# Altium PCB SmartHub Carrier.PcbDoc (part 1 of 5) (continued)
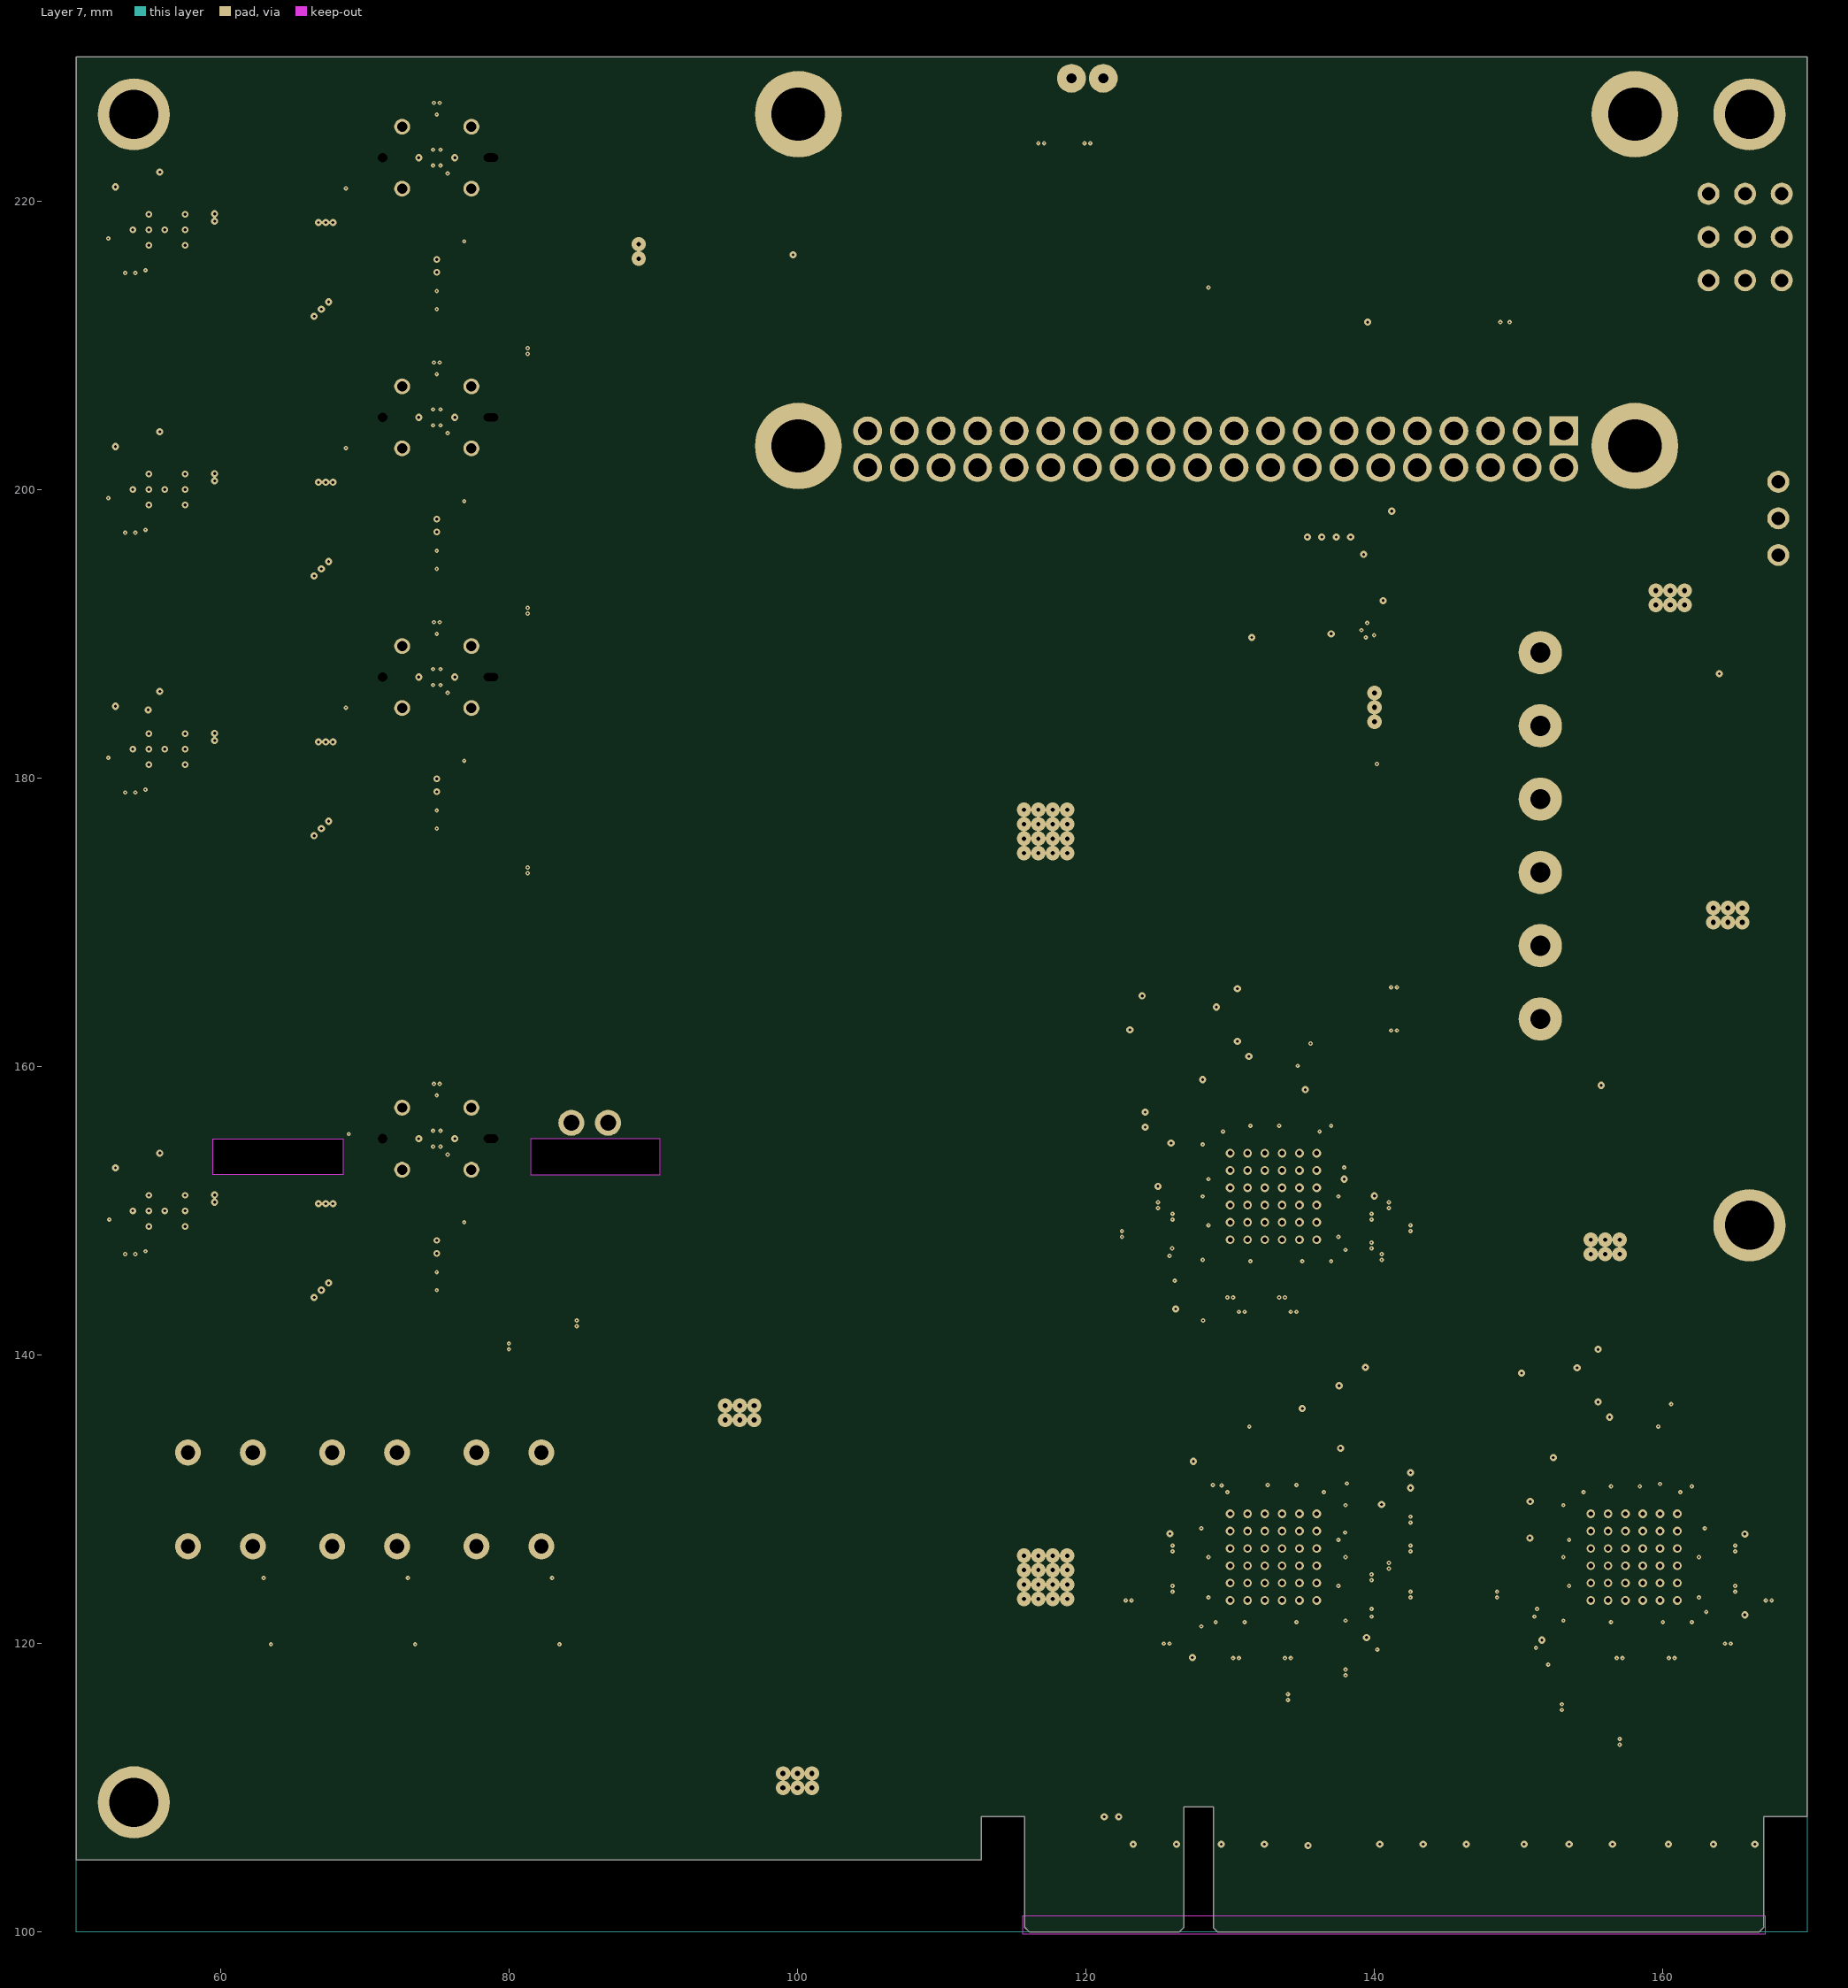
[diagram p7: Layer 7]

## Layer stack, top to bottom
Top Solder: solder mask 0.0102, Solder Resist, Dk 3.5
Top Layer: signal copper 0.035
Dielectric 1: prepreg 0.1168, PP-016, Dk 4.4
Layer 2: signal copper 0.035
Dielectric 2: prepreg 0.1168, PP-016, Dk 4.4
Layer 3: signal copper 0.035
Dielectric 3.1: prepreg 0.1803, PP-021, Dk 4.7
Dielectric 3.2: prepreg 0.0711, PP-006, Dk 4.1
Layer 4: signal copper 0.035
Dielectric 4: core 0.2286, Core-027, Dk 4.5
Layer 5: signal copper 0.035
Dielectric 5.2: prepreg 0.0711, PP-006, Dk 4.1
Dielectric 5.1: prepreg 0.1803, PP-021, Dk 4.7
Layer 6: signal copper 0.035
Dielectric 6: prepreg 0.1168, PP-016, Dk 4.4
Layer 7: signal copper 0.035
Dielectric 7: prepreg 0.1168, PP-016, Dk 4.4
Bottom Layer: signal copper 0.035
Bottom Solder: solder mask 0.0102, Solder Resist, Dk 3.5

## Board outline
115.75,100.35 116.1,100 126.45,100 126.8,100.35 126.8,108.7 128.85,108.7 128.85,100.3 129.15,100 166.65,100 167,100.35 167,108 170,108 170,230 50,230 50,105 112.75,105 112.75,108 115.75,108
cut-out: 68.5,155 68.5,152.5 59.5,152.5 59.5,155
cut-out: 81.5,155 81.5,152.5 90.5,152.5 90.5,155

## Design rules (kind name [scope] priority, off if disabled: settings)
BoardOutlineClearance BoardOutlineClearanceText [OnLayer('Top Overlay')   or        OnLayer('Bottom Overlay')] p1: gap=0 ignorepadtopadclearanceinfootprint=FALSE
BoardOutlineClearance BoardOutlineClearanceTopBot [OnLayer('Top Layer') or OnLayer('Bottom Layer')] p2: gap=0.125 ignorepadtopadclearanceinfootprint=FALSE
BoardOutlineClearance [All] p3: gap=0.125 ignorepadtopadclearanceinfootprint=FALSE except(0: Arc-SplitBarrior Arc-SplitContinuation Track-SplitBarrior Track-SplitContinuation SMDPad-SplitBarrior SMDPad-SplitContinuation THPad-SplitBarrior THPad-SplitContinuation Via-SplitBarrior Via-SplitContinuation Fill-SplitBarrior Fill-SplitContinuation Poly-SplitBarrior Poly-SplitContinuation Region-SplitBarrior Region-SplitContinuation Text-SplitBarrior Text-SplitContinuation)
Clearance Clearance_DiffPair [(InDifferentialPairClass('All Differential Pairs'))] p1: gap=0.1 ignorepadtopadclearanceinfootprint=TRUE except(0: Arc-Text Track-Text SMDPad-Text THPad-Text Via-Text Fill-Text Poly-Text Region-Text Text-Text Text-Hole)
Clearance Clearance_HighPWR [InNet('VPWR')  or   InNet('+24V')  or InNet('SENSE_24V') or InNet('PRE_PWR')] p2: gap=0.2 ignorepadtopadclearanceinfootprint=TRUE except(0: Arc-Text Track-Text SMDPad-Text THPad-Text Via-Text Fill-Text Poly-Text Region-Text Text-Text Text-Hole)
Clearance Clearance_USBPWR [InNet('USB0_5V') or InNet('USB1_5V') or InNet('USB2_5V') or InNet('USB3_5V') or InNet('USB4_5V') or InNet('USB5_5V') or InNet('USB6_5V') or InNet('USB7_5V')] p3: gap=0.2 ignorepadtopadclearanceinfootprint=FALSE except(0: Arc-Text Track-Text SMDPad-Text THPad-Text Via-Text Fill-Text Poly-Text Region-Text Text-Text Text-Hole)
Clearance Clearance_MidPWR [InNet('+5VR') or InNet('+5VF') or InNet('+3V3') or InNet('PRE_5VR') or InNet('PRE_3V3')] p4: gap=0.175 ignorepadtopadclearanceinfootprint=TRUE except(0: Arc-Text Track-Text SMDPad-Text THPad-Text Via-Text Fill-Text Poly-Text Region-Text Text-Text Text-Hole)
Clearance Clearance_LowPWR [InNet('+3V3') or InNet('+1V8') or InNet('+1V1') or InNet('PRE_1V1') or InNet('PRE_1V8')] p5: gap=0.15 ignorepadtopadclearanceinfootprint=TRUE except(0: Arc-Text Track-Text SMDPad-Text THPad-Text Via-Text Fill-Text Poly-Text Region-Text Text-Text Text-Hole)
Clearance Clearance_DiffNets [All] p6: gap=0.1 ignorepadtopadclearanceinfootprint=TRUE except(0: Arc-Text Track-Text SMDPad-Text THPad-Text Via-Text Fill-Text Poly-Text Region-Text Text-Text Text-Hole)
Clearance Clearance_SameNets [All] p7: gap=0 ignorepadtopadclearanceinfootprint=FALSE
ComponentClearance [All] p1: gap=0 collisioncheckmode=3 verticalgap=0 showdistances=FALSE
DiffPairsRouting DiffPairsRouting_USB3 [InDifferentialPairClass('USB3')] p1: maxlimit=0.2 minlimit=0.125 mostfreqgap=0.2 toplayer_maxgap=0.125 toplayer_prefgap=0.125 toplayer_minwidth=0.15 toplayer_maxwidth=0.15 toplayer_prefwidth=0.15 midlayer2_mingap=0.15 midlayer2_maxgap=0.15 midlayer2_prefgap=0.15 midlayer2_minwidth=0.1 midlayer2_maxwidth=0.1 midlayer2_prefwidth=0.1 midlayer5_mingap=0.15 midlayer5_maxgap=0.15 midlayer5_prefgap=0.15 midlayer5_minwidth=0.1 midlayer5_maxwidth=0.1 midlayer5_prefwidth=0.1 bottomlayer_maxgap=0.125 bottomlayer_prefgap=0.125 bottomlayer_minwidth=0.15 bottomlayer_maxwidth=0.15 bottomlayer_prefwidth=0.15 impedanceprofiledriven=TRUE impedanceprofileid={CAC524BF-6D41-4182-8BAB-A067496D66B2} impedanceprofilevalue=90.000000 filterlayerstackid={D35C46F4-2E52-4D90-A27E-1B933197D4E5} maxuncoupledlength=12.7
DiffPairsRouting DiffPairsRouting_USB [InDifferentialPairClass('USB')] p2: maxlimit=0.2 minlimit=0.125 mostfreqgap=0.2 toplayer_maxgap=0.125 toplayer_prefgap=0.125 toplayer_minwidth=0.15 toplayer_maxwidth=0.15 toplayer_prefwidth=0.15 midlayer2_mingap=0.15 midlayer2_maxgap=0.15 midlayer2_prefgap=0.15 midlayer2_minwidth=0.1 midlayer2_maxwidth=0.1 midlayer2_prefwidth=0.1 midlayer5_mingap=0.15 midlayer5_maxgap=0.15 midlayer5_prefgap=0.15 midlayer5_minwidth=0.1 midlayer5_maxwidth=0.1 midlayer5_prefwidth=0.1 bottomlayer_maxgap=0.125 bottomlayer_prefgap=0.125 bottomlayer_minwidth=0.15 bottomlayer_maxwidth=0.15 bottomlayer_prefwidth=0.15 impedanceprofiledriven=TRUE impedanceprofileid={CAC524BF-6D41-4182-8BAB-A067496D66B2} impedanceprofilevalue=90.000000 filterlayerstackid={D35C46F4-2E52-4D90-A27E-1B933197D4E5} maxuncoupledlength=12.7
Height [All] p1: minheight=0 maxheight=100 prefheight=12.7
HoleSize [All] p1: absolutevalues=TRUE maxlimit=20 minlimit=0.025 maxpercent=80.000 minpercent=20.000
HoleToHoleClearance [All] p1: gap=0.1 allowstackedmicrovias=TRUE
MatchedLengths MatchedLengthsI2C_0 [InNetClass('I2C_0')] p1: tolerance=0.127 checknetsindiffpair=FALSE checkdiffpairvsdiffpair=TRUE checkxsignals=TRUE checkothers=TRUE
MatchedLengths MatchedLengthsSPI_FW [InNetClass('SPI_FW')] p2: tolerance=1 checknetsindiffpair=FALSE checkdiffpairvsdiffpair=TRUE checkxsignals=TRUE checkothers=TRUE
MatchedLengths MatchedLengthsSPI_GRID1 [InNetClass('SPI_GRID1')] p3: tolerance=1 checknetsindiffpair=FALSE checkdiffpairvsdiffpair=TRUE checkxsignals=TRUE checkothers=TRUE
MatchedLengths MatchedLengthsSPI_GRID2 [InNetClass('SPI_GRID2')] p4: tolerance=1 checknetsindiffpair=FALSE checkdiffpairvsdiffpair=TRUE checkxsignals=TRUE checkothers=TRUE
MatchedLengths MatchedLengthsUART_0 [InNetClass('UART_0')] p5: tolerance=0.127 checknetsindiffpair=FALSE checkdiffpairvsdiffpair=TRUE checkxsignals=TRUE checkothers=TRUE
MatchedLengths MatchedLengthsUSB3 [InDifferentialPairClass('USB3')] p6: tolerance=0.075 checknetsindiffpair=TRUE checkdiffpairvsdiffpair=FALSE checkxsignals=FALSE checkothers=FALSE
MinimumAnnularRing [All] p1: minimumring=0.1
MinimumSolderMaskSliver [All] p1: minsoldermaskwidth=0
PolygonConnect PolygonConnect_HighPWR [InNet('VPWR')  or   InNet('+24V')  or InNet('SENSE_24V') or InNet('PRE_PWR')] p1: thpad.connectstyle=Relief thpad.reliefconductorwidth=1 thpad.reliefentries=4 thpad.polygonreliefangle="90 Angle" thpad.airgapwidth=0.2 smdpad.connectstyle=Relief smdpad.reliefconductorwidth=0.3 smdpad.reliefentries=4 smdpad.polygonreliefangle="90 Angle" smdpad.airgapwidth=0.05 via.connectstyle=Direct via.reliefconductorwidth=1.5 via.reliefentries=4 via.polygonreliefangle="90 Angle" via.airgapwidth=0.15
PolygonConnect PolygonConnect_USBPWR [InNet('USB0_5V') or InNet('USB1_5V') or InNet('USB2_5V') or InNet('USB3_5V') or InNet('USB4_5V') or InNet('USB5_5V') or InNet('USB6_5V') or InNet('USB7_5V') or InNet('USBF0_5V') or InNet('USBF1_5V') or InNet('USBF2_5V') or InNet('USBF3_5V')] p2: thpad.connectstyle=Relief thpad.reliefconductorwidth=0.6 thpad.reliefentries=4 thpad.polygonreliefangle="90 Angle" thpad.airgapwidth=0.15 smdpad.connectstyle=Relief smdpad.reliefconductorwidth=0.3 smdpad.reliefentries=4 smdpad.polygonreliefangle="90 Angle" smdpad.airgapwidth=0.05 via.connectstyle=Direct via.reliefconductorwidth=0.35 via.reliefentries=4 via.polygonreliefangle="90 Angle" via.airgapwidth=0.127
PolygonConnect PolygonConnect_MidPWR [InNet('+5VR') or InNet('+5VF') or InNet('+3V3') or InNet('PRE_5VR') or InNet('PRE_3V3')] p3: thpad.connectstyle=Relief thpad.reliefconductorwidth=0.3 thpad.reliefentries=4 thpad.polygonreliefangle="90 Angle" thpad.airgapwidth=0.2 smdpad.connectstyle=Relief smdpad.reliefconductorwidth=0.2 smdpad.reliefentries=4 smdpad.polygonreliefangle="90 Angle" smdpad.airgapwidth=0.075 via.connectstyle=Direct via.reliefconductorwidth=0.7 via.reliefentries=4 via.polygonreliefangle="90 Angle" via.airgapwidth=0.254
PolygonConnect PolygonConnect_LowPWR [InNet('+3V3') or InNet('+1V8') or InNet('+1V1') or InNet('PRE_1V1') or InNet('PRE_1V8')] p4: thpad.connectstyle=Relief thpad.reliefconductorwidth=0.3 thpad.reliefentries=4 thpad.polygonreliefangle="90 Angle" thpad.airgapwidth=0.2 smdpad.connectstyle=Relief smdpad.reliefconductorwidth=0.2 smdpad.reliefentries=4 smdpad.polygonreliefangle="90 Angle" smdpad.airgapwidth=0.05 via.connectstyle=Direct via.reliefconductorwidth=0.5 via.reliefentries=4 via.polygonreliefangle="90 Angle" via.airgapwidth=0.254
PolygonConnect PolygonConnect_GND [InNet('GND')] p5: thpad.connectstyle=Relief thpad.reliefconductorwidth=0.3 thpad.reliefentries=4 thpad.polygonreliefangle="90 Angle" thpad.airgapwidth=0.125 smdpad.connectstyle=Relief smdpad.reliefconductorwidth=0.2 smdpad.reliefentries=4 smdpad.polygonreliefangle="90 Angle" smdpad.airgapwidth=0.075 via.connectstyle=Direct via.reliefconductorwidth=0.5 via.reliefentries=4 via.polygonreliefangle="90 Angle" via.airgapwidth=0.254
PolygonConnect [All] p6: thpad.connectstyle=Relief thpad.reliefconductorwidth=0.35 thpad.reliefentries=4 thpad.polygonreliefangle="90 Angle" thpad.airgapwidth=0.25 smdpad.connectstyle=Relief smdpad.reliefconductorwidth=0.2 smdpad.reliefentries=4 smdpad.polygonreliefangle="90 Angle" smdpad.airgapwidth=0.1 via.connectstyle=Direct via.reliefconductorwidth=0.254 via.reliefentries=4 via.polygonreliefangle="90 Angle" via.airgapwidth=0
RoutingVias RoutingVias_DiffPair [InDifferentialPairClass('All Differential Pairs')] p1: holewidth=0.1 width=0.3 viastyle="Through Hole" minholewidth=0.1 minwidth=0.3 maxholewidth=0.35 maxwidth=0.6
RoutingVias [All] p2: holewidth=0.1 width=0.3 viastyle="Through Hole" minholewidth=0.1 minwidth=0.3 maxholewidth=6.3 maxwidth=6.9
SilkToSilkClearance [All] p1: silktosilkclearance=0
SilkToSolderMaskClearance [IsPad] p1: minsilkscreentomaskgap=0 clearancetoexposedcopper=TRUE
SolderMaskExpansion [All] p1: expansion=0.102 istentingtop=FALSE
UnRoutedNet [All] p1: checkbadconnections=TRUE
Width [All] p1: maxlimit=20 minlimit=0.1 preferedwidth=0.2
21 further rules are at their usual default settings.

## Classes and differential pairs
net class SPI_GRID2: SPI_CLK_G2 SPI_MISO_G2 SPI_MOSI_G2
component class USBHub-part1: C601 C602 C603 C604 C605 C606 C607 C608 C609 C610 C611 C612 C613 C614 C615 C616 C617 C618 C619 C620 C621 C622 C623 C624 C625 C626 C627 C628 C629 C630 C631 C632 C633 C634 C635 C636 C637 C638 C639 C640 C641 C642 C643 C644 D601 IC601 IC602 IC603 R601 R602 R603 R604 R605 R606 R607 R608 R609 R610 R611 R612 R613 R614 R615 R616 R617 R618 R619 R620 R621 R622 R623 R624 R625 R626 R627 SW601 X601
component class USBHub-Framework: C701 C801 C802 C803 C804 C805 C806 C807 C808 C809 C810 C811 C812 C813 C814 C815 C816 C817 C818 C819 C820 C821 C822 C823 C824 C825 C826 C827 C828 C829 C830 C831 C832 C833 C834 C835 C836 C837 C838 C846 C848 C849 D701 IC801 IC802 IC803 R701 R801 R802 R803 R804 R805 R806 R807 R808 R809 R810 R811 R812 R813 R814 R815 R816 R817 R818 R819 R820 R821 R822 R823 R824 R825 R826 SW801 X801
component class USBHub-part2: C702 C703 C704 C705 C706 C707 C708 C709 C710 C711 C712 C713 C714 C715 C716 C717 C718 C719 C720 C721 C722 C723 C724 C725 C726 C727 C728 C729 C730 C731 C732 C733 C734 C735 C736 C737 C738 C739 C740 C741 C742 C743 D702 IC701 IC702 IC703 R702 R703 R704 R705 R706 R707 R708 R709 R710 R711 R712 R713 R714 R715 R716 R717 R718 R719 R720 R721 R722 R723 R724 R725 R726 R727 R728 SW701 X701
component class "Raspberry Pi Control": C501 C502 C503 C504 C505 C506 C507 C508 CO501 CO502 IC501 J501 J502 J503 J504 J505 J506 J507 MO501 MO502 MO503 MO504 MO505 MO506 R501 R502 R503 R504 R505 R506 R507 R508 R509 R510
component class Power: C102 C103 C104 C105 C107 C108 C109 C110 C111 C112 C113 C114 C115 C116 C117 C118 C119 C120 C121 C122 C123 C124 C125 C126 C127 C128 C129 C130 C131 C132 C133 C134 C135 C136 C137 C138 C139 C140 C141 C142 C143 C144 C145 C151 C152 C153 C154 D101 D102 D111 IC101 IC102 IC103 IC104 IC105 J1 L101 L102 L103 L104 L105 R101 R102 R103 R104 R105 R106 R107 R108 R109 R110 R111 R112 R113 R114 R115 R116 R117 R118 R119 R120 R121 R122 TR101 TR102
component class "Framework USB expansion ports": C301 C302 C303 C304 C305 C306 C307 C308 C309 C310 C311 C312 C313 C314 C315 C316 C318 C320 C321 C322 C323 C324 C367 C368 C369 C370 C371 C372 C373 C374 C375 C376 C377 C378 C379 C380 CO301 CO302 CO303 CO304 D351 D352 D353 D354 D355 D356 D357 D358 IC351 IC352 IC353 IC354
component class "Framework Power expansion ports": C317 C319 C325 C326 C327 C328 C329 C330 C331 C332 C333 C334 C335 C336 C337 C338 C339 C340 C341 C342 C343 C344 C345 C346 C347 C348 C349 C350 C351 C352 C353 C354 C355 C356 C357 C358 C359 C360 C361 C362 C363 C364 C365 C366 IC302 IC303 IC304 IC305 R401 R402 R403 R404
component class "Connection to Part 1": CO101
component class 001_OverViewMainHub-part2: Fid1 Fid2 Fid3 Fid4 H1 H2 H3 H4 "Logo FxLand"
net class UART_0: RXD_0 TXD_0
net class SPI_GRID1: SPI_CLK_G1 SPI_MISO_G1 SPI_MOSI_G1
net class SPI_FW: SPI_CLK_F SPI_MISO_F SPI_MOSI_F
net class I2C_0: I2C_0_SCL I2C_0_SDA
differential pair class USB3: USB0 USB0_RX USB0_TX USB1 USB1_RX USB1_TX USB2 USB2_RX USB2_TX USB3 USB3_RX USB3_TX USB4 USB4_RX USB4_TX USB5 USB5_RX USB5_TX USB6 USB6_RX USB6_TX USB7 USB7_RX USB7_TX USB_Zero USBF0 USBF0_RX USBF0_RX1 USBF0_RX2 USBF0_TX USBF0_TX1 USBF0_TX2 USBF0_XRX USBF0_XTX USBF0_XTX1 USBF0_XTX2 USBF1 USBF1_RX USBF1_RX1 USBF1_RX2 USBF1_TX USBF1_TX1 USBF1_TX2 USBF1_XRX USBF1_XTX USBF1_XTX1 USBF1_XTX2 USBF2 USBF2_RX USBF2_RX1 USBF2_RX2 USBF2_TX USBF2_TX1 USBF2_TX2 USBF2_XRX USBF2_XTX USBF2_XTX1 USBF2_XTX2 USBF3 USBF3_RX USBF3_RX1 USBF3_RX2 USBF3_TX USBF3_TX1 USBF3_TX2 USBF3_XRX USBF3_XTX USBF3_XTX1 USBF3_XTX2 USBMHF USBMHF_RX USBMHF_TX USBMHF_XRX USBMHF_XTX USBMHG USBMHG_RX USBMHG_TX USBMHG_XRX USBMHG_XTX
differential pair USB_Zero: +USB_Zero_P -USB_Zero_N
differential pair USBMHG_XTX: +USBMHG_XTX_P -USBMHG_XTX_N
differential pair USBMHG_XRX: +USBMHG_XRX_P -USBMHG_XRX_N
differential pair USBMHF_XRX: +USBMHF_XRX_P -USBMHF_XRX_N
differential pair USBMHG: +USBMHG_P -USBMHG_N
differential pair USBMHG_TX: +USBMHG_TX_P -USBMHG_TX_N
differential pair USBMHG_RX: +USBMHG_RX_P -USBMHG_RX_N
differential pair USBMHF: +USBMHF_P -USBMHF_N
differential pair USBMHF_XTX: +USBMHF_XTX_P -USBMHF_XTX_N
differential pair USBMHF_TX: +USBMHF_TX_P -USBMHF_TX_N
differential pair USBMHF_RX: +USBMHF_RX_P -USBMHF_RX_N
differential pair USBF3_XTX: +USBF3_XTX_P -USBF3_XTX_N
differential pair USBF3_XTX2: +USBF3_XTX2_P -USBF3_XTX2_N
differential pair USBF3_XTX1: +USBF3_XTX1_P -USBF3_XTX1_N
differential pair USBF3_XRX: +USBF3_XRX_P -USBF3_XRX_N
differential pair USBF2_XTX: +USBF2_XTX_P -USBF2_XTX_N
differential pair USBF2_XTX2: +USBF2_XTX2_P -USBF2_XTX2_N
differential pair USBF2_XTX1: +USBF2_XTX1_P -USBF2_XTX1_N
differential pair USBF2_XRX: +USBF2_XRX_P -USBF2_XRX_N
differential pair USBF1_XTX: +USBF1_XTX_P -USBF1_XTX_N
differential pair USBF1_XTX2: +USBF1_XTX2_P -USBF1_XTX2_N
differential pair USBF1_XTX1: +USBF1_XTX1_P -USBF1_XTX1_N
differential pair USBF1_XRX: +USBF1_XRX_P -USBF1_XRX_N
differential pair USBF0_XTX: +USBF0_XTX_P -USBF0_XTX_N
differential pair USBF0_XTX2: +USBF0_XTX2_P -USBF0_XTX2_N
differential pair USBF0_XTX1: +USBF0_XTX1_P -USBF0_XTX1_N
differential pair USBF0_XRX: +USBF0_XRX_P -USBF0_XRX_N
differential pair USBF3_TX2: +USBF3_TX2_P -USBF3_TX2_N
differential pair USBF3_TX1: +USBF3_TX1_P -USBF3_TX1_N
differential pair USBF3_RX2: +USBF3_RX2_P -USBF3_RX2_N
differential pair USBF3_RX1: +USBF3_RX1_P -USBF3_RX1_N
differential pair USBF2_TX2: +USBF2_TX2_P -USBF2_TX2_N
differential pair USBF2_TX1: +USBF2_TX1_P -USBF2_TX1_N
differential pair USBF2_RX2: +USBF2_RX2_P -USBF2_RX2_N
differential pair USBF2_RX1: +USBF2_RX1_P -USBF2_RX1_N
differential pair USBF1_TX2: +USBF1_TX2_P -USBF1_TX2_N
differential pair USBF1_TX1: +USBF1_TX1_P -USBF1_TX1_N
differential pair USBF1_RX2: +USBF1_RX2_P -USBF1_RX2_N
differential pair USBF1_RX1: +USBF1_RX1_P -USBF1_RX1_N
differential pair USBF0_TX2: +USBF0_TX2_P -USBF0_TX2_N
differential pair USBF0_TX1: +USBF0_TX1_P -USBF0_TX1_N
differential pair USBF0_RX2: +USBF0_RX2_P -USBF0_RX2_N
differential pair USBF0_RX1: +USBF0_RX1_P -USBF0_RX1_N
differential pair USBF0: +USBF0_P -USBF0_N
differential pair USBF0_TX: +USBF0_TX_P -USBF0_TX_N
differential pair USBF0_RX: +USBF0_RX_P -USBF0_RX_N
differential pair USBF3: +USBF3_P -USBF3_N
differential pair USBF3_TX: +USBF3_TX_P -USBF3_TX_N
differential pair USBF3_RX: +USBF3_RX_P -USBF3_RX_N
differential pair USBF2: +USBF2_P -USBF2_N
differential pair USBF2_TX: +USBF2_TX_P -USBF2_TX_N
differential pair USBF2_RX: +USBF2_RX_P -USBF2_RX_N
differential pair USBF1: +USBF1_P -USBF1_N
differential pair USBF1_TX: +USBF1_TX_P -USBF1_TX_N
differential pair USBF1_RX: +USBF1_RX_P -USBF1_RX_N
differential pair USB7: +USB7_P -USB7_N
differential pair USB7_TX: +USB7_TX_P -USB7_TX_N
differential pair USB7_RX: +USB7_RX_P -USB7_RX_N
differential pair USB6: +USB6_P -USB6_N
differential pair USB6_TX: +USB6_TX_P -USB6_TX_N
differential pair USB6_RX: +USB6_RX_P -USB6_RX_N
differential pair USB5: +USB5_P -USB5_N
differential pair USB5_TX: +USB5_TX_P -USB5_TX_N
differential pair USB5_RX: +USB5_RX_P -USB5_RX_N
differential pair USB4: +USB4_P -USB4_N
differential pair USB4_TX: +USB4_TX_P -USB4_TX_N
differential pair USB4_RX: +USB4_RX_P -USB4_RX_N
differential pair USB3: +USB3_P -USB3_N
differential pair USB3_TX: +USB3_TX_P -USB3_TX_N
differential pair USB3_RX: +USB3_RX_P -USB3_RX_N
differential pair USB2: +USB2_P -USB2_N
differential pair USB2_TX: +USB2_TX_P -USB2_TX_N
differential pair USB2_RX: +USB2_RX_P -USB2_RX_N
differential pair USB1: +USB1_P -USB1_N
differential pair USB1_TX: +USB1_TX_P -USB1_TX_N
differential pair USB1_RX: +USB1_RX_P -USB1_RX_N
differential pair USB0: +USB0_P -USB0_N
differential pair USB0_TX: +USB0_TX_P -USB0_TX_N
differential pair USB0_RX: +USB0_RX_P -USB0_RX_N
